# Altium PCB LimePSB-RPCM_1v5.PcbDoc (part 5 of 12)
Units mm, origin at the board's own origin, x right, y up, seen from the top; angles counter-clockwise.
Board outline 170 x 110 mm, 6 copper layers (Top, L2, L3, L4, L5, Bottom), stack 1.583 mm thick; 998 components, 580 nets, 4160 pads, 1908 vias.
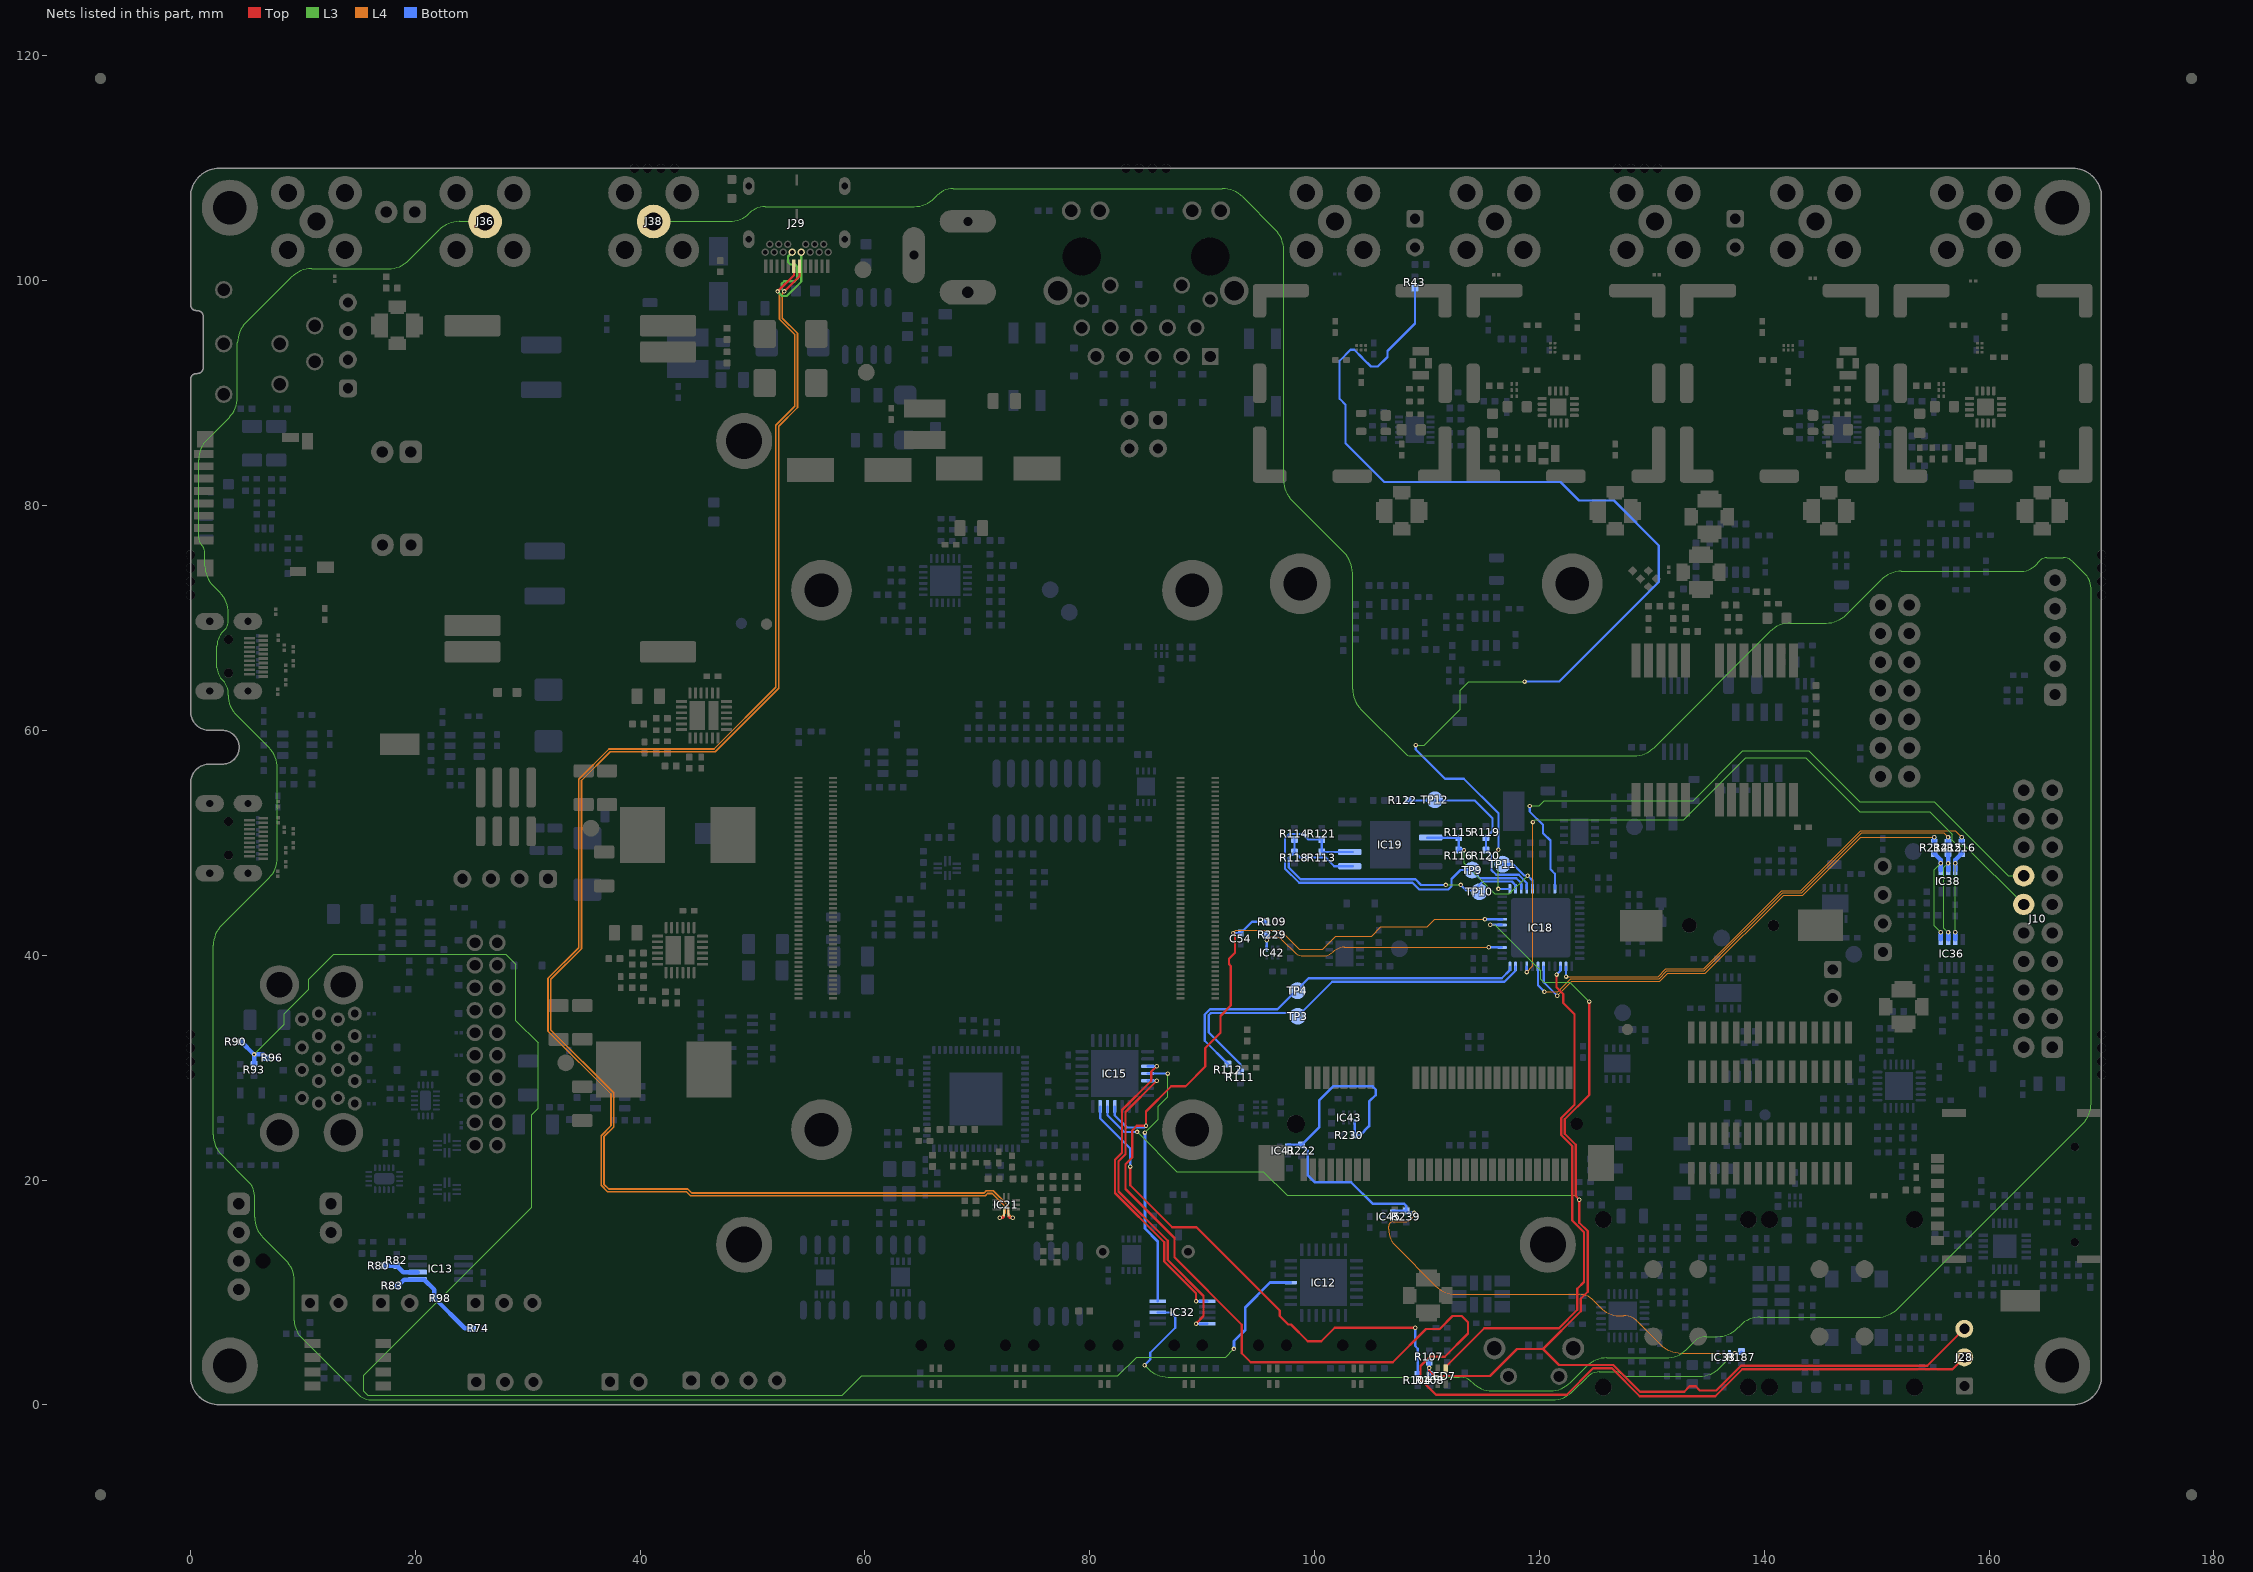
[diagram p9: the nets of this part, all layers, seen from the top]

## Via types
v1: diameter 0.4, hole 0.2, Top to Bottom, tented both sides, 1884 vias
v2: diameter 0.5, hole 0.2, Top to Bottom, tented both sides, 24 vias

## Nets (pads, with @x,y where several pads share a name; then routed paths per layer and width w, separated by ;. In a path a pad name is that pad's centre, name@x,y a point inside that pad or via, vN(x,y) a via of type N, cw(c..) or ccw(c..) an arc to the next point about the centre after c; other vN are vias at no path point) (continued)
EXT_SYNC_IN: IC33.3 IC41.1 IC43.1 IC45.1 J36.1 R187.2 R222.2 R230.2 R239.2 | length 328.4
  L3 w0.1: J36.1@26.2,105.275 23.927,105.275 ccw(c23.927,102.735) 22.131,104.531 19.419,101.819 cw(c17.623,103.615) 17.623,101.075 10.777,101.075 ccw(c10.777,98.535) 8.981,100.331 4.919,96.269 ccw(c6.715,94.473) 4.175,94.473 4.175,89.627 cw(c1.635,89.627) 3.431,87.831 1.469,85.869 ccw(c3.265,84.073) 0.725,84.073 0.725,77.139 ccw(c1.664,77.139) 1,76.475 cw(c0.336,75.811) 1.275,75.811 1.275,74.652 ccw(c3.815,74.652) 2.019,72.856 2.631,72.244 cw(c0.835,70.448) 3.375,70.448 3.375,69.775 cw(c2.228,69.775) 3.039,68.964 2.9,68.825 ccw(c4.228,67.497) 2.35,67.497 2.35,65.576 ccw(c3.801,65.576) 2.775,64.55 2.908,64.417 cw(c1.841,63.35) 3.35,63.35 3.35,63.127 ccw(c5.89,63.127) 4.094,61.331 6.981,58.444 cw(c5.185,56.648) 7.725,56.648 7.725,48.677 cw(c5.185,48.677) 6.981,46.881 2.769,42.669 ccw(c4.565,40.873) 2.025,40.873 2.025,24.027 ccw(c4.565,24.027) 2.769,22.231 5.2,19.8 cw(c3.993,18.593) 5.7,18.593 5.7,16.702 ccw(c8.24,16.702) 6.444,14.906 8.481,12.869 cw(c6.685,11.073) 9.225,11.073 9.225,7.5 ccw(c11.337,7.5) 9.845,6.005 14.95,0.9 ccw(c16.036,1.986) 16.036,0.45 121.173,0.45 ccw(c121.173,2.99) 122.969,1.194 124.25,2.475 cw(c125.336,1.389) 125.336,2.925 126.832,2.925 cw(c126.832,2.157) 127.375,2.7 ccw(c127.737,3.062) 127.737,2.55 134.254,2.55 ccw(c134.254,5.09) 136.05,3.294 v1(137.369,4.613)
  L4 w0.1: v1(108.85,17.075) cw(c108.075,17.075) 108.075,16.3 107,16.3 ccw(c107,15.875) 106.575,15.875 106.575,15.601 ccw(c108.569,15.601) 107.16,14.19 110.781,10.569 ccw(c112.577,12.365) 112.577,9.825 123.522,9.825 cw(c123.522,7.947) 124.85,9.275 125.599,8.526 ccw(c127.05,9.977) 127.05,7.925 127.483,7.925 cw(c127.483,6.133) 128.75,7.4 130.794,5.356 ccw(c132.59,7.153) 132.59,4.613 v1(137.369,4.613)
  Bottom w0.2: IC33.3@136.9,4.613 v1(137.369,4.613) 137.837,4.613 R187.2@137.975,4.75
  Bottom w0.23: IC41.1@97.625,23.125 R222.2@98.837,23.125 ; IC43.1@103.575,25.187 R230.2@103.575,23.975 104.025,23.975 104.85,24.8 104.85,26.975 105.44,27.565 105.44,28.035 105.15,28.325 101.65,28.325 100.425,27.1 100.425,24.713 R222.2@98.837,23.125 ; IC45.1@106.95,17.25 R239.2@108.162,17.25 ; v1(108.85,17.075) 108.337,17.075 R239.2@108.162,17.25 ; R222.2@98.837,23.125 99.375,22.587 99.375,20.45 100.035,19.79 103.26,19.79 105.175,17.875 107.975,17.875 108.162,17.688 R239.2@108.162,17.25
EXT_SYNC_OUT: IC32.8 J38.1 | length 325.9
  L3 w0.1: J38.1@41.2,105.275 47.923,105.275 ccw(c47.923,107.815) 49.719,106.019 cw(c51.122,104.616) 51.122,106.6 64.373,106.6 ccw(c64.373,109.14) 66.169,107.344 66.425,107.6 cw(c67.874,106.151) 67.874,108.2 91.798,108.2 cw(c91.798,105.66) 93.594,107.456 96.506,104.544 cw(c94.71,102.748) 97.25,102.748 97.25,82.227 ccw(c99.79,82.227) 97.994,80.431 102.631,75.794 cw(c100.835,73.998) 103.375,73.998 103.375,63.682 ccw(c105.915,63.682) 104.119,61.886 108.053,57.953 ccw(c108.602,58.502) 108.602,57.725 128.398,57.725 ccw(c128.398,60.265) 130.194,58.469 140.531,68.806 cw(c142.327,67.01) 142.327,69.55 145.498,69.55 ccw(c145.498,72.09) 147.294,70.294 150.406,73.406 cw(c152.202,71.61) 152.202,74.15 162.85,74.15 ccw(c162.85,75.901) 164.088,74.663 164.55,75.125 cw(c165.154,74.521) 165.154,75.375 166.6,75.375 cw(c166.6,74.228) 167.411,75.039 168.575,73.875 cw(c167.368,72.668) 169.075,72.668 169.075,26.802 cw(c166.535,26.802) 168.331,25.006 151.869,8.544 cw(c150.073,10.34) 150.073,7.8 139.652,7.8 ccw(c139.652,5.26) 137.856,7.056 137.619,6.819 cw(c135.823,8.615) 135.823,6.075 134.826,6.075 ccw(c134.826,4.624) 133.8,5.65 133.068,4.918 cw(c131.272,6.714) 131.272,4.174 126.001,4.174 ccw(c126.001,1.634) 124.205,3.43 122.769,1.994 cw(c120.973,3.79) 120.973,1.25 115.802,1.25 cw(c115.802,3.79) 114.006,1.994 ; v1(84.875,3.525) 85.181,3.219 ccw(c86.977,5.015) 86.977,2.475 112.853,2.475 cw(c112.853,0.853) 114,2
  Bottom w0.2: v1(84.875,3.525) 85.375,4.025 85.375,4.625 87.6,6.85 87.6,7.8 87.175,8.225 IC32.8@86.05,8.225
EXT_SYNC_OUT_A0: IC15.17 IC32.1 | length 27.2
  Top w0.2: v1(85.95,30.125) 85.475,29.65 85.475,28.825 82.875,26.225 82.875,22.425 82.25,21.8 82.25,18.851 86.625,14.476 86.625,12.751 89.45,9.926 v1(89.45,9.225)
  Bottom w0.2: IC15.17@85.15,30.125 v1(85.95,30.125) ; v1(89.45,9.225) IC32.1@90.45,9.225
EXT_SYNC_OUT_A1: IC15.18 IC32.10 | length 23.3
  L3 w0.1: v1(84.9,24.225) 86.075,25.4 86.075,26.55 86.925,27.4 v1(86.925,29.475)
  Bottom w0.2: IC15.18@85.15,29.475 v1(86.925,29.475)
  Bottom w0.25: v1(84.9,24.225) 84.9,15.692 86.05,14.542 IC32.10@86.05,9.225
EXT_SYNC_OUT_EN: IC15.19 IC32.5 | length 28.2
  Top w0.2: v1(85.95,28.825) 83.175,26.05 83.175,22.301 82.55,21.676 82.55,18.976 86.925,14.601 86.925,12.876 90.125,9.676 90.125,7.9 v1(89.45,7.225)
  Bottom w0.2: IC15.19@85.15,28.825 v1(85.95,28.825) ; v1(89.45,7.225) IC32.5@90.45,7.225
EXT_USB_D_N: IC21.6 J29.A7 J29.B7 | length 144.6
  Top w0.2: v1(52.225,99.05) 53.675,100.5 J29.A7@53.675,101.295 ; v1(72,16.65) 72.275,16.65 72.375,16.75 IC21.6@72.375,17.15
  L3 w0.2: v1(52.225,99.05) 52.625,98.65 53.05,98.65 54.325,99.925 J29.B7@54.325,102.545
  L4 w0.15: v1(52.225,99.05) 52.225,99.012 52.4,98.837 52.4,96.571 53.75,95.221 53.75,88.829 52.075,87.154 52.075,63.854 46.571,58.35 37.225,58.35 34.525,55.65 34.525,40.679 31.8,37.954 31.8,33.25 37.4,27.65 37.4,24.825 36.525,23.95 36.525,19.521 37.096,18.95 44.125,18.95 44.475,18.6 70.704,18.6 70.904,18.8 71.321,18.8 72.45,17.671 72.45,17.05 72.05,16.65 v1(72,16.65)
EXT_USB_D_P: IC21.7 J29.A6 J29.B6 | length 144.6
  Top w0.2: v1(52.825,99.05) 54.175,100.4 J29.A6@54.175,101.295 ; IC21.7@72.775,17.15 72.775,16.75 72.875,16.65 v1(73.15,16.65)
  L3 w0.2: v1(52.825,99.05) 52.6,99.275 52.6,99.75 52.806,99.956 53.756,99.956 53.975,100.175 53.975,101.25 53.775,101.45 53.35,101.45 53.15,101.65 53.15,102.17 J29.B6@53.525,102.545
  L4 w0.15: v1(52.825,99.05) 52.825,99.012 52.65,98.837 52.65,96.675 54,95.325 54,88.725 52.325,87.05 52.325,63.75 46.675,58.1 37.329,58.1 34.775,55.546 34.775,40.575 32.05,37.85 32.05,33.354 37.65,27.754 37.65,24.721 36.775,23.846 36.775,19.625 37.2,19.2 44.229,19.2 44.579,18.85 70.6,18.85 70.8,19.05 71.425,19.05 72.7,17.775 72.7,17.05 73.1,16.65 v1(73.15,16.65)
FAN_CTRL: IC12.4 R90.2 R93.1 R96.1 | length 165.7
  L3 w0.1: v1(5.65,31.175) 8.325,33.85 8.325,34.775 10.525,36.975 10.525,37.875 12.725,40.075 28.05,40.075 28.95,39.175 28.95,34.175 30.925,32.2 30.925,26.375 30.375,25.825 30.375,17.565 15.425,2.615 15.425,1.2 15.775,0.85 57.975,0.85 59.7,2.575 82.5,2.575 84.175,4.25 92.1,4.25 v1(92.825,4.975)
  Bottom w0.25: v1(92.825,4.975) 92.825,5.675 93.825,6.675 93.825,8.675 96.025,10.875 IC12.4@97.875,10.875
  Bottom w0.4: R90.2@4.525,32.3 v1(5.65,31.175) ; R93.1@5.65,30.3 v1(5.65,31.175) ; R96.1@6.75,30.875 6.45,31.175 v1(5.65,31.175)
FAN_PWM: IC13.5 R74.1 R83.2 R98.1 | length 9.1
  Bottom w0.4: R83.2@18.45,10.6 19,11.15 IC13.5@20.2,11.15 20.225,11.125 20.8,11.125 21.7,10.225 R98.1@21.7,9.5 24.4,6.8 R74.1@25.075,6.8
FAN_TACH: IC13.6 R80.2 R82.1 | length 3.2
  Bottom w0.4: R80.2@17.25,12.375 R82.1@18.35,12.375 18.925,11.8 IC13.6@20.2,11.8
FPGA_CDONE: IC15.26 IC18.7 J28.3 R107.1 R108.1 | length 147.6
  Top w0.2: v1(110.2,3.287) 110.2,3.025 110.65,2.575 115.6,2.575 118,4.975 120.325,4.975 ; v1(124.425,35.875) 124.425,27.575 122.25,25.4 122.25,24.125 123.225,23.15 123.225,18.575 v1(123.55,18.25) 123.55,16.2 124.289,15.461 124.289,10.064 123.675,9.45 123.675,8.325 120.325,4.975 ; 134.25,1.3 133.9,1.65 133.35,1.65 132.875,1.175 128.949,1.175 126.574,3.55 121.75,3.55 120.325,4.975 ; 134.275,1.275 135.725,1.275 137.925,3.475 154.51,3.475 J28.3@157.8,6.765
  L3 w0.1: v1(84.2,24.275) 87.725,20.75 95.425,20.75 97.55,18.625 123.175,18.625 v1(123.55,18.25) ; v1(115.625,42.7) 116.025,42.7 120.125,38.6 120.125,37.875 120.4,37.6 122.7,37.6 v1(124.425,35.875)
  Bottom w0.2: IC15.26@81.575,26.55 81.575,25.775 83.075,24.275 v1(84.2,24.275) v1@84.225,24.275 ; v1(115.625,42.7) IC18.7@116.675,42.7
  Bottom w0.3: R107.1@110.2,3.8 v1(110.2,3.287) 110.2,2.775 R108.1@110.275,2.7
FPGA_CDONE_LED: IC15.27 R104.1 | length 44.3
  Top w0.2: v1(83.6,21.2) 83.6,19.525 87.325,15.8 89.5,15.8 96.9,8.4 96.9,7.9 97.65,7.15 97.9,7.15 99.4,5.65 100.6,5.65 101.8,6.85 v1(108.95,6.85)
  Bottom w0.2: IC15.27@80.925,26.55 80.925,25.475 83.6,22.8 v1(83.6,21.2) ; v1(108.95,6.85) 108.95,5.225 109.175,5 R104.1@109.175,2.7
FPGA_CFG_SPI_CSN: IC18.16 R119.1 R120.2 R122.2 TP12.1 | length 17.4
  Bottom w0.2: R122.2@108.325,53.775 114.225,53.775 115.825,52.175 115.825,51.045 R119.1@115.24,50.46 R120.2@115.24,49.36 115.74,48.86 115.74,47.56 116.15,47.15 118.15,47.15 118.875,46.425 IC18.16@118.875,45.9
FPGA_CFG_SPI_SCK: IC18.15 IC19.6 R113.2 R121.1 TP9.1 | length 34.1
  Bottom w0.2: IC19.6@103.425,49.19 R113.2@100.635,49.19 R121.1@100.635,50.29 99.435,50.29 98.935,50.79 97.765,50.79 97.375,50.4 97.375,47.7 98.625,46.45 108.7,46.45 109.3,45.85 111.9,45.85 112.175,46.125 112.175,46.775 112.975,47.575 113.975,47.575 114.7,46.85 117.95,46.85 118.375,46.425 IC18.15@118.375,45.9
FPGA_CFG_SPI_SI: IC18.17 IC19.2 R115.2 R116.1 TP11.1 | length 17
  L3 w0.1: v1(113.29,49.36) 113.29,48.185 116.025,45.45 117.325,45.45 v1(118.95,47.075)
  Bottom w0.2: IC19.2@110.025,50.46 R115.2@112.815,50.46 R116.1@112.815,49.36 ; TP11.1@116.725,48.1 116.733,48.092 117.658,48.092 118.659,47.091 118.934,47.091 v1(118.95,47.075) 119.375,46.65 IC18.17@119.375,45.9
  Bottom w0.4: R116.1@112.815,49.36 v1(113.29,49.36)
FPGA_CFG_SPI_SO: IC18.14 IC19.5 R114.1 R118.2 TP10.1 | length 30.3
  L3 w0.1: v1(111.675,46.25) v1(113,46.25)
  Bottom w0.2: R114.1@98.21,50.29 R118.2@98.21,49.19 ; IC19.5@103.425,47.92 101.755,47.92 100.985,48.69 98.71,48.69 R118.2@98.21,49.19 ; v1(111.675,46.25) 109.474,46.25 108.974,46.75 98.749,46.75 97.7,47.799 97.7,48.68 R118.2@98.21,49.19 ; v1(113,46.25) 113.5,45.75 114.15,45.75 114.95,46.55 117.55,46.55 117.85,46.25 117.85,45.925 IC18.14@117.875,45.9
FPGA_CRESET: C54.1 IC15.25 IC18.8 J28.2 R109.2 | length 162.8
  Top w0.2: v1(92.75,41.975) 92.925,41.8 92.925,40.225 92.375,39.675 92.375,39.209 92.55,39.034 92.55,35.525 91.625,34.6 91.625,33.1 90.275,31.75 90.275,30.1 88.525,28.35 87.25,28.35 85,26.1 v1(85,24.825) 84.184,24.825 83.775,24.416 83.775,22 83.175,21.4 83.175,19.199 87.525,14.849 87.525,13.124 93.525,7.124 93.525,4.59 94.315,3.8 106.95,3.8 109.9,6.75 111.125,6.75 112.275,7.9 113.1,7.9 113.65,7.35 113.65,6.35 111.575,4.275 110.25,4.275 109.425,3.45 109.425,2.28 110.805,0.9 122.425,0.9 124.775,3.25 126.45,3.25 128.925,0.775 135.649,0.775 138.049,3.175 153.55,3.175 156.75,3.175 J28.2@157.8,4.225
  L4 w0.1: v1(92.75,41.975) 93,42.225 96.95,42.225 98.625,40.55 100.725,40.55 101.875,41.7 105.075,41.7 105.9,42.525 110.01,42.525 110.685,43.2 v1(115.15,43.2)
  Bottom w0.2: IC15.25@82.225,26.55 82.225,25.75 83.3,24.675 84.85,24.675 v1(85,24.825) ; v1(92.75,41.975) C54.1@93.425,41.975 94.425,42.975 R109.2@95.75,42.975
  Bottom w0.25: v1(115.15,43.2) IC18.8@116.675,43.2
FPGA_GPIO0: IC18.45 J10.12 | length 65.8
  L3 w0.1: v1(119.425,51.85) 119.625,52.05 132.829,52.05 138.354,57.575 143.691,57.575 148.516,52.75 154.734,52.75 156.712,50.772 156.712,50.247 157.21,49.749 157.851,49.749 J10.12@163.08,44.52
  L4 w0.1: v1(118.875,38.5) 119.425,39.05 v1(119.425,51.85)
  Bottom w0.2: v1(118.875,38.5) IC18.45@118.875,39
FPGA_GPIO1: IC18.21 J10.14 | length 58.9
  L3 w0.1: v1(119.15,53.275) 119.967,53.275 120.442,53.75 120.608,53.75 133.346,53.75 133.68,53.75 138.105,58.175 143.976,58.175 148.501,53.65 155.125,53.65 161.715,47.06 J10.14@163.08,47.06
  Bottom w0.2: v1(119.15,53.275) 119.15,52.775 120.325,51.6 120.325,50.85 120.975,50.2 120.975,47.65 121.375,47.25 IC18.21@121.375,45.9
FPGA_I2C_SCL: IC18.47 R111.2 TP3.1 | length 35.7
  Bottom w0.2: R111.2@93.4,29.625 93.4,30.3 90.575,33.125 90.575,34.65 90.775,34.85 98.225,34.85 TP3.1@98.5,34.575 101.575,37.65 116.9,37.65 117.875,38.625 IC18.47@117.875,39
FPGA_I2C_SDA: IC18.48 R112.2 TP4.1 | length 34.5
  Bottom w0.2: R112.2@92.3,30.325 90.225,32.4 90.225,34.724 90.701,35.2 96.7,35.2 TP4.1@98.413,36.912 ; TP4.1@98.475,36.85 TP4.1@98.413,36.912 ; IC18.48@117.375,39 117.375,38.675 116.65,37.95 99.45,37.95 TP4.1@98.413,36.912
FPGA_LED_R: IC18.39 LED7.4 | length 46.9
  Top w0.2: LED7.4@111.66,3.25 111.66,3.4 115.085,6.825 121.751,6.825 123.375,8.449 123.375,10.325 123.975,10.925 123.975,15.351 122.925,16.401 122.925,23.026 121.95,24.001 121.95,25.524 123.125,26.699 123.125,34.75 122.125,35.75 122.125,36.55 121.525,37.15 v1(121.525,38.275)
  Bottom w0.2: v1(121.525,38.275) 121.85,38.6 121.85,38.975 IC18.39@121.875,39
FPGA_RF_SW_TDD: IC18.13 R43.2 | length 101.7
  L3 w0.1: v1(109,58.7) 109.775,58.7 112.95,61.875 112.95,63.575 113.725,64.35 v1(118.675,64.35) ; v1(116.35,45.9) v1(116.35,49.375)
  Bottom w0.2: R43.2@108.925,99.35 108.925,96.2 106.475,93.75 106.475,93.225 105.625,92.375 105.009,92.375 104.27,93.114 104.27,93.129 103.531,93.868 103.199,93.868 102.225,92.894 102.225,89.5 102.75,88.975 102.75,85.55 106.2,82.1 121.875,82.1 123.525,80.45 126.625,80.45 130.625,76.45 130.625,73.2 121.775,64.35 v1(118.675,64.35) ; v1(109,58.7) 109,58.3 111.6,55.7 113.275,55.7 116.35,52.625 v1(116.35,49.375) ; v1(116.35,45.9) IC18.13@117.375,45.9
FPGA_SPI0_DAC_SS: IC18.42 R214.2 | length 42.9
  L4 w0.1: v1(121.575,36.4) 122.875,37.7 130.725,37.7 131.425,38.4 134.766,38.4 141.716,45.35 143.416,45.35 148.565,50.499 v1(155.124,50.499)
  Bottom w0.2: IC18.42@120.375,39 120.375,37.6 v1(121.575,36.4)
  Bottom w0.4: R214.2@155.124,50.049 v1(155.124,50.499)
FPGA_SPI0_DAC_SS_R: IC36.5 IC38.1 R214.1 | length 9
  L3 w0.1: v1(155.699,42.035) 155.114,42.62 155.114,47.6 v1(155.699,48.185)
  Bottom w0.4: R214.1@155.124,49.049 155.699,48.474 IC38.1@155.699,47.549 ; IC36.5@155.699,41.399 v1(155.699,42.035)
FPGA_SPI0_MOSI: IC18.38 R216.2 | length 42.2
  L4 w0.1: v1(122.375,38.1) 130.559,38.1 131.259,38.8 134.6,38.8 141.55,45.75 143.25,45.75 148.575,51.075 156.998,51.075 v1(157.574,50.499)
  Bottom w0.2: v1(122.375,38.1) IC18.38@122.375,39
  Bottom w0.4: R216.2@157.574,50.049 v1(157.574,50.499)
FPGA_SPI0_MOSI_R: IC36.7 IC38.3 R216.1 | length 8.5
  L3 w0.1: v1(156.999,42.035) v1(156.999,48.185)
  Bottom w0.4: IC36.7@156.999,41.399 v1(156.999,42.035) ; IC38.3@156.999,47.549 156.999,48.474 R216.1@157.574,49.049
FPGA_SPI0_SCLK: IC18.43 R215.2 | length 44.8
  L4 w0.1: v1(120.45,36.75) 121.642,36.75 122.792,37.9 130.642,37.9 131.342,38.6 134.683,38.6 141.633,45.55 143.333,45.55 148.658,50.875 155.973,50.875 v1(156.349,50.499)
  Bottom w0.2: IC18.43@119.875,39 119.875,37.325 v1(120.45,36.75)
  Bottom w0.4: R215.2@156.349,50.049 v1(156.349,50.499)
FPGA_SPI0_SCLK_R: IC36.6 IC38.2 R215.1 | length 8.6
  L3 w0.1: v1(156.349,42.035) 155.975,42.409 155.975,47.811 v1(156.349,48.185)
  Bottom w0.4: IC36.6@156.349,41.399 v1(156.349,42.035) ; IC38.2@156.349,47.549 R215.1@156.349,49.049
FPGA_SYNC_OUT: IC18.3 IC42.1 R229.2 | length 23.1
  L4 w0.1: v1(95.75,41.325) 95.898,41.473 cw(c96.325,41.046) 96.325,41.65 cw(c96.325,40.443) 97.178,41.297 ; 97.179,41.296 98.224,40.251 ccw(c98.95,40.976) 98.95,39.95 100.84,39.95 ccw(c100.84,41.06) 101.625,40.275 cw(c102.651,39.249) 102.651,40.7 v1(115.5,40.7)
  Bottom w0.2: v1(115.5,40.7) IC18.3@116.675,40.7
  Bottom w0.23: IC42.1@95.75,40.588 v1(95.75,41.325) R229.2@95.75,41.8